# KiCad board DQBSC.kicad_pcb (continued)
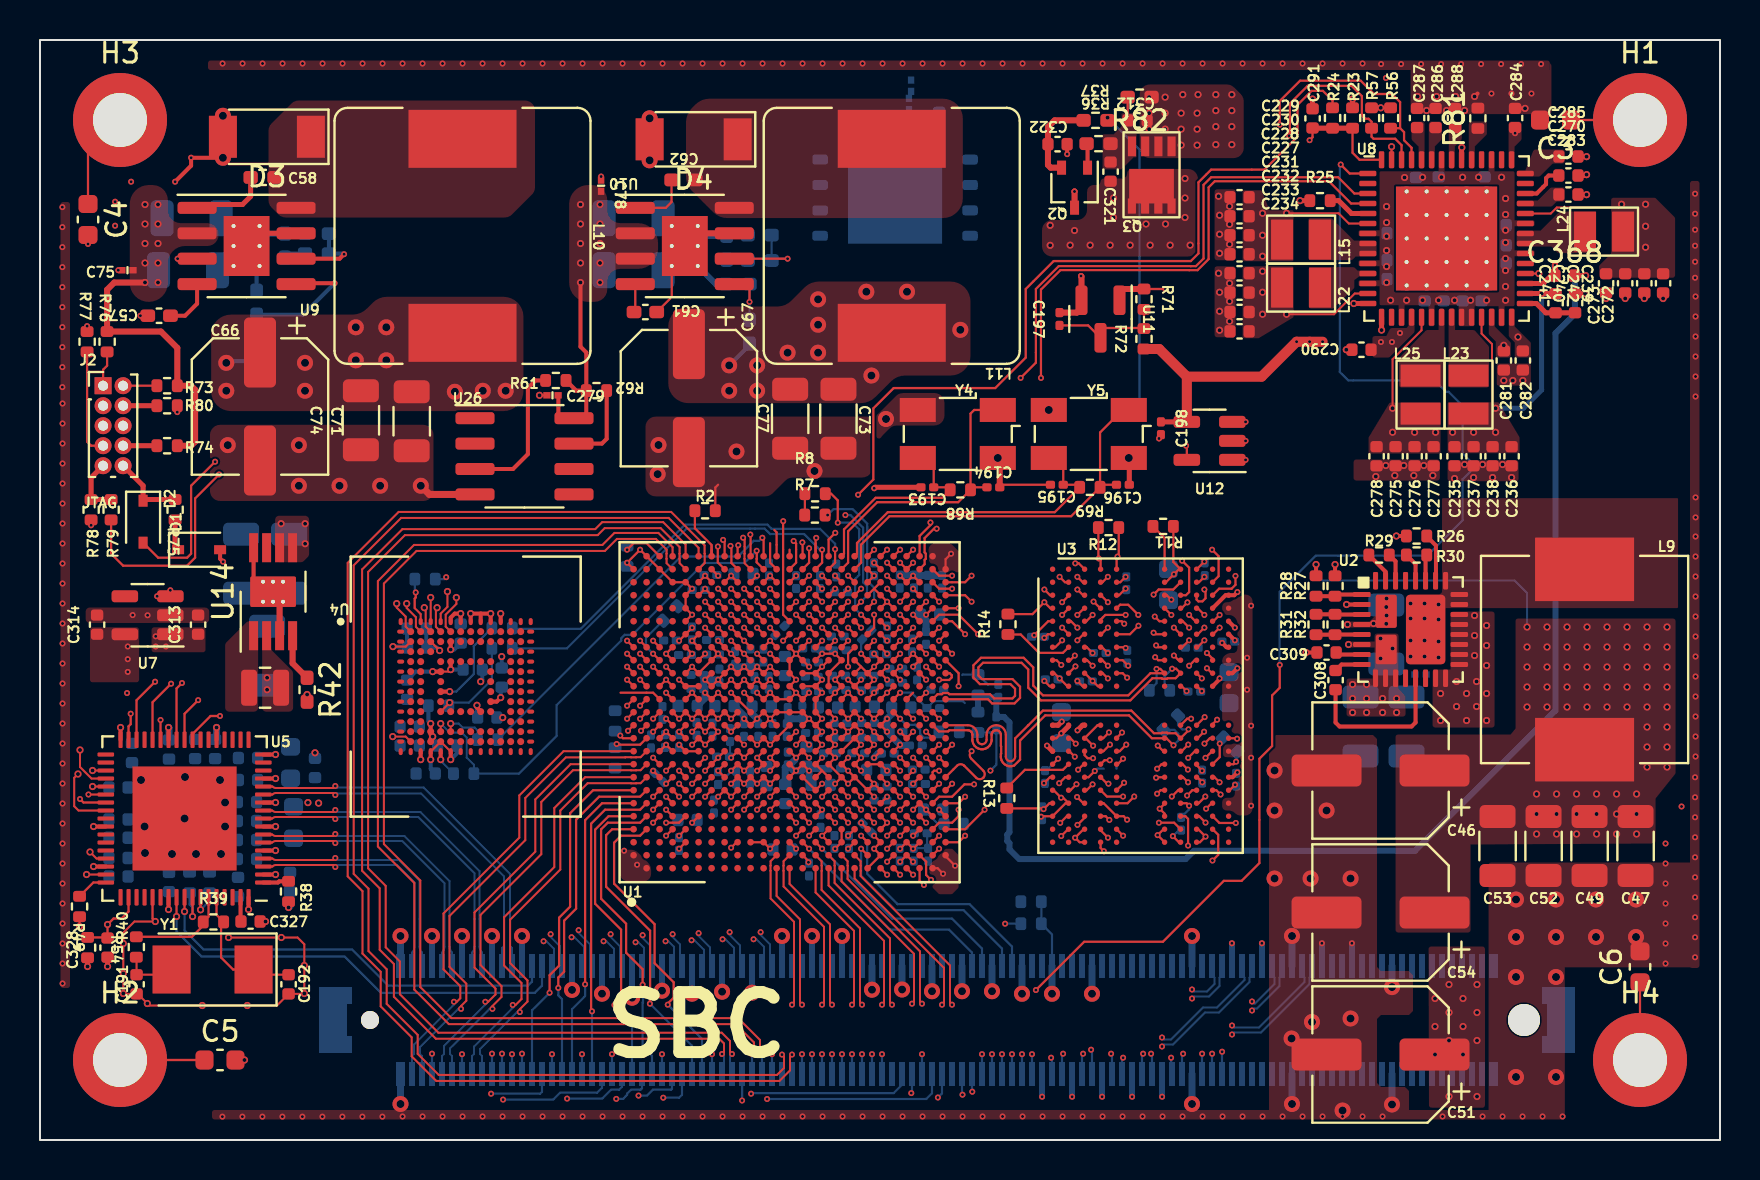
[diagram p0: board, top side]
## Routing (per net, layer and track width the routed paths; a pad name or vN(x,y) marks a point on that pad's centre or on a via; arc(x,y) is an arc through that point) (continued)
DRAM_CA2_A: length 16.6
  TOP w0.11: U1.AD20 44.95,26.26 45.93,26.26 v2(46.9,25.29) ; U3.H9 56.93,23.99 v2(56.69,24.22)
  PW2 w0.11: v2(56.69,24.22) 56.52,24.22 56.17,23.87 56.17,23.44 55.96,23.24 55.51,23.24 55.4,23.35 55.4,23.77 55.09,24.08 54.67,24.08 54.53,24.22 54.21,24.22 53.66,24.77 53.07,24.77 52.51,25.32 50.68,25.32 50.48,25.53 49.39,25.53 arc(49.32,25.5) 49.29,25.43 49.29,25.38 arc(49.26,25.31) 49.19,25.28 arc(49.12,25.31) 49.09,25.38 49.09,25.43 arc(49.06,25.5) 48.99,25.53 arc(48.92,25.5) 48.89,25.43 48.89,25.38 arc(48.86,25.31) 48.79,25.28 arc(48.72,25.31) 48.69,25.38 48.69,25.43 arc(48.66,25.5) 48.59,25.53 arc(48.52,25.5) 48.49,25.43 48.49,25.38 arc(48.46,25.31) 48.39,25.28 arc(48.32,25.31) 48.29,25.38 48.29,25.43 arc(48.26,25.5) 48.19,25.53 arc(48.12,25.5) 48.09,25.43 48.09,25.38 arc(48.06,25.31) 47.99,25.28 arc(47.92,25.31) 47.89,25.38 47.89,25.43 arc(47.86,25.5) 47.79,25.53 arc(47.72,25.5) 47.69,25.43 47.69,25.38 arc(47.66,25.31) 47.59,25.28 arc(47.52,25.31) 47.49,25.38 47.49,25.43 arc(47.46,25.5) 47.39,25.53 47.15,25.53 v2(46.9,25.29)
DRAM_CA2_B: length 16.6
  TOP w0.11: U3.R9 57.08,19.44 v2(57.41,19.77) ; U1.AC7 v2(44.3,17.16)
  PW2 w0.11: v2(44.3,17.16) 44.72,17.16 45.31,17.75 45.31,17.94 45.63,18.26 46.64,18.26 47.73,17.17 50.25,17.17 50.6,16.82 53.09,16.82 53.75,17.49 54.63,17.49 55.5,18.36 55.5,18.66 55.95,19.11 56.47,19.11 57.13,19.77 v2(57.41,19.77)
DRAM_CA3_A: length 16.7
  TOP w0.11: U1.AE20 45.6,25.94 v2(46.25,25.29) ; v2(57.46,23.71) 57.73,23.99 U3.H10
  PW2 w0.11: v2(46.25,25.29) 46.09,25.46 46.09,25.64 46.36,25.91 47.57,25.91 arc(47.61,25.93) 47.62,25.97 arc(47.64,26.01) 47.68,26.02 48.17,26.02 arc(48.21,26.01) 48.22,25.97 48.22,25.86 arc(48.24,25.82) 48.28,25.8 48.77,25.8 arc(48.81,25.82) 48.82,25.86 48.82,25.97 arc(48.84,26.01) 48.88,26.02 49.37,26.02 arc(49.41,26.01) 49.42,25.97 arc(49.44,25.93) 49.48,25.91 52.67,25.91 53.53,25.06 54.24,25.06 54.87,24.43 55.93,24.43 56.03,24.54 56.79,24.54 57.03,24.3 57.03,23.48 57.14,23.37 57.77,23.37 57.84,23.44 57.84,23.58 57.74,23.68 57.49,23.68 v2(57.46,23.71)
DRAM_CA3_B: length 16.7
  TOP w0.11: v2(57.41,19.11) 57.74,19.44 U3.R10 ; U1.AE7 v2(45.6,17.81)
  PW2 w0.11: v2(57.41,19.11) 57.56,19.11 57.65,19.01 57.65,18.91 57.55,18.81 57.12,18.81 56.99,18.68 56.99,17.99 54.72,15.72 54.23,15.72 54.14,15.81 53.69,15.81 53.59,15.71 53.34,15.71 53.04,16.01 52.03,16.01 51.89,16.15 50.46,16.15 50.12,15.81 48.35,15.81 46.89,17.28 46.55,17.28 46.34,17.5 46.14,17.5 46,17.36 45.7,17.36 45.6,17.46 v2(45.6,17.81)
DRAM_CA4_A: length 16.6
  TOP w0.11: v2(58.35,24.35) 58.63,24.06 U3.H11 ; U1.AD19 v2(44.95,25.61)
  PW2 w0.11: v2(58.35,24.35) 57.75,24.94 57.75,25.11 57.53,25.32 56.14,25.32 55.23,26.23 55.23,26.43 54.43,27.23 46.15,27.23 44.95,26.03 v2(44.95,25.61)
DRAM_CA4_B: length 16.6
  TOP w0.11: U1.AE6 45.93,16.84 v2(46.25,17.16) ; v2(58.27,19.11) 58.61,19.44 U3.R11
  PW2 w0.11: v2(46.25,17.16) 46.25,17.01 47.75,15.51 47.95,15.51 arc(47.99,15.5) 48.01,15.46 arc(48.03,15.42) 48.06,15.4 48.3,15.4 arc(48.34,15.42) 48.36,15.46 arc(48.38,15.5) 48.41,15.51 51.7,15.51 51.75,15.46 53.98,15.46 54.03,15.51 54.49,15.51 54.5,15.5 54.91,15.5 54.94,15.51 54.95,15.51 55.65,16.21 56.05,16.21 56.89,17.05 56.89,17.25 57.16,17.52 57.46,17.52 57.7,17.76 57.7,18.24 57.69,18.25 57.69,18.52 v2(58.27,19.11)
DRAM_CA5_A: length 16.7
  TOP w0.11: v2(58.35,23.59) 58.59,23.34 U3.J11 ; U1.AE19 v2(44.95,24.96)
  PW2 w0.11: v2(44.95,24.96) 46.54,26.55 49.38,26.55 arc(49.42,26.56) 49.44,26.6 arc(49.45,26.64) 49.49,26.66 49.98,26.66 arc(50.02,26.64) 50.04,26.6 50.04,26.44 arc(50.07,26.36) 50.15,26.33 50.57,26.33 arc(50.65,26.36) 50.68,26.44 arc(50.71,26.52) 50.79,26.55 51.28,26.55 arc(51.32,26.56) 51.33,26.6 arc(51.35,26.64) 51.39,26.66 51.88,26.66 arc(51.92,26.64) 51.93,26.6 arc(51.95,26.56) 51.99,26.55 53.06,26.55 54.28,25.33 54.7,25.33 55,25.02 56.91,25.02 v2(58.35,23.59)
DRAM_CA5_B: length 16.7
  TOP w0.11: v2(46.7,17.78) 46.22,17.78 45.6,17.16 44.95,17.16 U1.AD6 ; v2(58.22,19.82) 58.49,20.09 U3.P11
  PW2 w0.11: v2(58.22,19.82) 57.88,19.47 57.31,19.47 56.55,18.71 56.55,18.45 54.72,16.61 50.53,16.61 50.28,16.86 50,16.86 49.75,16.61 47.87,16.61 v2(46.7,17.78)
DRAM_CKA_N: length 21.2
  TOP w0.11: v2(56.61,23.56) 56.81,23.56 U3.J9 56.78,23.09 56.38,23.09 56.35,23.06 56.11,23.06 56.08,23.09 55.62,23.09 54.52,21.98 50.04,21.98 49.41,22.61 49.41,23.53 49.08,23.86 47.15,23.86 46.92,23.63 46.92,23.23 47.1,23.04 48.62,23.04 49,22.67 49,22.11 48.73,21.83 47.61,21.83 47.4,22.04 U1.AE14
  BOT w0.11: v2(56.61,23.56) 56.23,23.19 56.23,22.67 56.43,22.48 R63.2
DRAM_CKA_P: length 20.9
  TOP w0.11: v2(55.83,23.55) 56.01,23.55 U3.J8 55.52,23.34 54.41,22.23 50.15,22.23 49.66,22.72 49.66,23.63 49.18,24.11 47.05,24.11 46.67,23.73 46.67,23.12 47,22.79 48.52,22.79 48.75,22.56 48.75,22.21 48.62,22.08 47.71,22.08 47.5,22.29 45.47,22.29 45.41,22.35 45.15,22.35 45.09,22.29 44.88,22.29 U1.AD14
  BOT w0.11: R63.1 55.83,22.84 v2(55.83,23.55)
DRAM_CKB_N: length 18.5
  TOP w0.11: v2(57.43,20.53) 57.43,20.49 U3.P9 56.78,20.34 56.38,20.34 56.35,20.37 56.11,20.37 56.08,20.34 55.7,20.34 54.57,21.47 50.15,21.47 48.75,20.08 48.75,19.17 arc(48.69,19.01) 48.52,18.94 arc(48.36,19.01) 48.29,19.17 48.29,20.26 arc(48.15,20.6) 47.81,20.74 arc(47.47,20.6) 47.33,20.26 47.33,20.02 arc(47.26,19.86) 47.1,19.79 arc(46.94,19.86) 46.87,20.02 46.87,20.26 arc(46.73,20.6) 46.39,20.74 U1.AE12
  BOT w0.11: R64.2 56.9,20.74 57.11,20.53 v2(57.43,20.53)
DRAM_CKB_P: length 18.7
  TOP w0.11: U1.AD12 44.94,20.43 45.41,20.43 45.47,20.49 46.39,20.49 46.43,20.49 46.52,20.45 46.58,20.39 46.62,20.3 46.62,20.26 46.62,20.02 46.62,19.96 46.65,19.83 46.72,19.73 46.81,19.64 46.91,19.57 47.04,19.54 47.1,19.54 47.16,19.54 47.28,19.57 47.39,19.64 47.48,19.73 47.55,19.83 47.58,19.96 47.58,20.02 47.58,20.26 47.58,20.3 47.62,20.39 47.68,20.45 47.77,20.49 47.81,20.49 47.86,20.49 47.94,20.45 48.01,20.39 48.04,20.3 48.04,20.26 48.04,19.7 48.06,19.68 48.06,19.31 48.04,19.3 48.04,19.17 48.04,19.11 48.08,18.98 48.14,18.88 48.23,18.79 48.34,18.72 48.46,18.69 48.52,18.69 48.59,18.69 48.71,18.72 49,19.02 49,19.97 50.26,21.23 54.45,21.23 55.59,20.09 U3.P8 56.32,20.09 v2(56.67,19.73)
  BOT w0.11: v2(56.67,19.73) 56.92,19.98 56.92,20.31 56.72,20.51 R64.1
DRAM_CKE0_A: length 16.6
  TOP w0.11: v2(53.39,23.08) 53.13,23.34 U3.J4 ; U1.AC16 v2(44.3,23.01)
  PW2 w0.11: v2(53.39,23.08) 53.73,23.41 54.67,23.41 54.76,23.32 54.76,22.35 54.43,22.02 54.43,22.02 54.23,21.82 53.83,21.82 arc(53.79,21.8) 53.77,21.77 arc(53.76,21.73) 53.72,21.71 53.63,21.71 arc(53.59,21.73) 53.57,21.77 arc(53.56,21.8) 53.52,21.82 53.43,21.82 arc(53.39,21.8) 53.37,21.77 arc(53.36,21.73) 53.32,21.71 53.23,21.71 arc(53.19,21.73) 53.17,21.77 arc(53.16,21.8) 53.12,21.82 53.03,21.82 arc(52.99,21.8) 52.97,21.77 arc(52.96,21.73) 52.92,21.71 52.83,21.71 arc(52.79,21.73) 52.77,21.77 arc(52.76,21.8) 52.72,21.82 52.63,21.82 arc(52.59,21.8) 52.57,21.77 arc(52.56,21.73) 52.52,21.71 52.43,21.71 arc(52.39,21.73) 52.37,21.77 arc(52.36,21.8) 52.32,21.82 52.23,21.82 arc(52.19,21.8) 52.17,21.77 arc(52.16,21.73) 52.12,21.71 52.03,21.71 arc(51.99,21.73) 51.97,21.77 arc(51.96,21.8) 51.92,21.82 45.77,21.82 arc(45.61,21.89) 45.54,22.05 arc(45.47,22.21) 45.31,22.28 45.17,22.28 arc(45.01,22.21) 44.94,22.05 arc(44.87,21.89) 44.71,21.82 44.43,21.82 44.01,22.24 44.01,22.49 44.3,22.78 v2(44.3,23.01)
DRAM_CKE0_B: length 16.6
  TOP w0.11: U1.AD10 v2(44.95,19.76) ; U3.P4 53.16,20.09 v2(53.45,20.38)
  PW2 w0.11: v2(53.45,20.38) 53.45,20.41 53.71,20.67 54.5,20.67 54.85,20.31 55.15,20.31 55.25,20.41 55.25,20.61 54.85,21.01 53.05,21.01 52.85,20.81 51.4,20.81 51.21,20.63 50.64,20.63 50.35,20.91 46.95,20.91 arc(46.83,20.86) 46.78,20.74 46.78,20.54 arc(46.73,20.42) 46.6,20.36 arc(46.48,20.42) 46.43,20.54 46.43,20.74 arc(46.38,20.86) 46.25,20.91 45.95,20.91 45.65,20.61 45.65,20.41 45.9,20.17 45.9,19.64 45.67,19.41 45.3,19.41 v2(44.95,19.76)
DRAM_CKE1_A: length 16.6
  TOP w0.11: v2(54.36,23.12) 54.13,23.34 U3.J5 ; U1.AE17 45.93,23.34 v2(45.93,22.69)
  PW2 w0.11: v2(54.36,23.12) 54.34,23.1 54.34,22.38 54.08,22.12 53.99,22.12 arc(53.85,22.18) 53.79,22.32 53.79,22.35 arc(53.73,22.49) 53.59,22.55 arc(53.45,22.49) 53.39,22.35 53.39,22.32 arc(53.33,22.18) 53.19,22.12 53.13,22.12 arc(53.06,22.15) 53.03,22.22 arc(53,22.29) 52.93,22.32 arc(52.86,22.29) 52.83,22.22 arc(52.8,22.15) 52.73,22.12 arc(52.66,22.15) 52.63,22.22 arc(52.6,22.29) 52.53,22.32 arc(52.46,22.29) 52.43,22.22 arc(52.4,22.15) 52.33,22.12 arc(52.26,22.15) 52.23,22.22 arc(52.2,22.29) 52.13,22.32 arc(52.06,22.29) 52.03,22.22 arc(52,22.15) 51.93,22.12 arc(51.86,22.15) 51.83,22.22 arc(51.8,22.29) 51.73,22.32 arc(51.66,22.29) 51.63,22.22 arc(51.6,22.15) 51.53,22.12 arc(51.46,22.15) 51.43,22.22 arc(51.4,22.29) 51.33,22.32 arc(51.26,22.29) 51.23,22.22 arc(51.2,22.15) 51.13,22.12 arc(51.06,22.15) 51.03,22.22 arc(51,22.29) 50.93,22.32 arc(50.86,22.29) 50.83,22.22 arc(50.8,22.15) 50.73,22.12 arc(50.66,22.15) 50.63,22.22 arc(50.6,22.29) 50.53,22.32 arc(50.46,22.29) 50.43,22.22 arc(50.4,22.15) 50.33,22.12 arc(50.26,22.15) 50.23,22.22 arc(50.2,22.29) 50.13,22.32 arc(50.06,22.29) 50.03,22.22 arc(50,22.15) 49.93,22.12 49.73,22.12 arc(49.65,22.15) 49.63,22.22 49.63,22.25 arc(49.6,22.32) 49.53,22.35 arc(49.45,22.32) 49.43,22.25 49.43,22.22 arc(49.4,22.15) 49.33,22.12 arc(49.25,22.15) 49.23,22.22 49.23,22.25 arc(49.2,22.32) 49.13,22.35 arc(49.05,22.32) 49.03,22.25 49.03,22.22 arc(49,22.15) 48.93,22.12 arc(48.85,22.15) 48.83,22.22 48.83,22.25 arc(48.8,22.32) 48.73,22.35 arc(48.65,22.32) 48.63,22.25 48.63,22.22 arc(48.6,22.15) 48.53,22.12 arc(48.45,22.15) 48.43,22.22 48.43,22.25 arc(48.4,22.32) 48.33,22.35 arc(48.25,22.32) 48.23,22.25 48.23,22.22 arc(48.2,22.15) 48.13,22.12 arc(48.05,22.15) 48.03,22.22 48.03,22.25 arc(48,22.32) 47.93,22.35 arc(47.85,22.32) 47.83,22.25 47.83,22.22 arc(47.8,22.15) 47.73,22.12 arc(47.65,22.15) 47.63,22.22 47.63,22.25 arc(47.6,22.32) 47.53,22.35 arc(47.45,22.32) 47.43,22.25 47.43,22.22 arc(47.4,22.15) 47.33,22.12 arc(47.25,22.15) 47.23,22.22 47.23,22.25 arc(47.2,22.32) 47.13,22.35 arc(47.05,22.32) 47.03,22.25 47.03,22.22 arc(47,22.15) 46.93,22.12 arc(46.85,22.15) 46.83,22.22 46.83,22.25 arc(46.8,22.32) 46.73,22.35 arc(46.65,22.32) 46.63,22.25 46.63,22.22 arc(46.6,22.15) 46.53,22.12 46.01,22.12 45.93,22.2 v2(45.93,22.69)
DRAM_CKE1_B: length 16.6
  TOP w0.11: U3.P5 53.83,20.1 v2(54.1,20.37) ; U1.AE10 v2(45.6,19.76)
  PW2 w0.11: v2(45.6,19.76) 45.6,20 45.45,20.16 44.97,20.16 44.89,20.24 44.89,20.5 45.02,20.63 45.22,20.63 45.36,20.77 45.36,21.01 45.53,21.18 45.62,21.18 45.75,21.31 54.45,21.31 arc(54.58,21.37) 54.63,21.49 54.63,21.5 arc(54.68,21.62) 54.8,21.67 arc(54.93,21.62) 54.98,21.5 54.98,21.49 arc(55.03,21.37) 55.15,21.31 55.55,20.91 55.55,20.01 55.35,19.81 54.85,19.81 54.55,20.11 54.25,20.11 54.1,20.27 v2(54.1,20.37)
DRAM_DM0: length 24.8
  TOP w0.11: U1.AD23 44.95,27.56 v2(45.6,27.56) ; v2(51.87,27.52) 52.15,27.24 U3.C3
  S2 w0.11: v2(45.6,27.56) 45.56,27.52 44.38,27.52 44.23,27.67 44.23,28.17 arc(44.28,28.29) 44.4,28.35 44.49,28.35 arc(44.62,28.4) 44.67,28.52 arc(44.62,28.64) 44.49,28.7 44.4,28.7 arc(44.28,28.75) 44.23,28.87 44.23,29.27 44.44,29.48 arc(44.56,29.53) 44.69,29.48 44.75,29.42 arc(44.87,29.37) 45,29.42 arc(45.05,29.54) 45,29.67 44.93,29.73 arc(44.88,29.85) 44.93,29.98 arc(45.06,30.03) 45.18,29.98 45.24,29.91 arc(45.37,29.86) 45.49,29.91 arc(45.54,30.04) 45.49,30.16 45.43,30.22 45.43,30.22 arc(45.38,30.35) 45.43,30.47 45.73,30.47 45.88,30.32 45.88,30.07 46.08,29.87 46.28,29.87 arc(46.4,29.82) 46.45,29.7 46.45,29.61 arc(46.5,29.48) 46.63,29.43 arc(46.75,29.48) 46.8,29.61 46.8,29.7 arc(46.85,29.82) 46.98,29.87 arc(47.1,29.82) 47.15,29.7 47.15,29.61 arc(47.2,29.48) 47.33,29.43 arc(47.45,29.48) 47.5,29.61 47.5,29.7 arc(47.55,29.82) 47.68,29.87 arc(47.8,29.82) 47.85,29.7 47.85,29.61 arc(47.9,29.48) 48.03,29.43 arc(48.15,29.48) 48.2,29.61 48.2,29.7 arc(48.25,29.82) 48.38,29.87 arc(48.5,29.82) 48.55,29.7 48.55,29.61 arc(48.6,29.48) 48.73,29.43 arc(48.85,29.48) 48.9,29.61 48.9,29.7 arc(48.95,29.82) 49.08,29.87 arc(49.2,29.82) 49.25,29.7 49.25,29.61 arc(49.3,29.48) 49.43,29.43 arc(49.55,29.48) 49.6,29.61 49.6,29.7 arc(49.65,29.82) 49.78,29.87 arc(49.9,29.82) 49.95,29.7 49.95,29.61 arc(50,29.48) 50.13,29.43 arc(50.25,29.48) 50.3,29.61 50.3,29.7 arc(50.35,29.82) 50.48,29.87 arc(50.6,29.82) 50.65,29.7 50.65,29.61 arc(50.7,29.48) 50.83,29.43 arc(50.95,29.48) 51,29.61 51,29.7 arc(51.05,29.82) 51.18,29.87 51.93,29.87 52.43,30.37 52.43,30.92 52.58,31.07 52.73,31.07 52.98,30.82 52.98,29.62 52.53,29.17 52.53,28.67 52.28,28.42 52.28,27.92 51.88,27.52 v2(51.87,27.52)
DRAM_DM1: length 26
  TOP w0.11: U3.C10 57.83,27.02 57.92,26.93 58.12,26.93 58.27,27.09 58.27,27.47 v2(58.22,27.52) ; U1.AB20 v2(43,26.26)
  S1 w0.11: v2(43,26.26) 43.3,26.56 43.3,27.63 43.59,27.91 43.77,27.91 44.21,28.35 44.22,28.36 44.25,28.37 44.28,28.36 44.3,28.34 44.32,28.33 44.35,28.34 44.44,28.42 44.45,28.43 44.45,28.46 44.45,28.49 44.44,28.5 44.35,28.59 44.34,28.62 44.35,28.65 44.44,28.74 44.47,28.75 44.5,28.74 44.59,28.65 44.6,28.64 44.62,28.63 44.65,28.64 44.66,28.65 44.75,28.73 44.75,28.76 44.75,28.79 44.66,28.88 44.65,28.89 44.64,28.92 44.65,28.95 44.66,28.96 44.74,29.04 44.77,29.05 44.8,29.04 44.89,28.95 44.9,28.94 44.92,28.93 44.95,28.94 44.96,28.95 45.05,29.03 45.05,29.06 45.05,29.09 44.96,29.18 44.95,29.19 44.94,29.22 44.95,29.25 44.96,29.26 45.04,29.34 45.07,29.35 45.1,29.34 45.12,29.32 45.14,29.31 45.23,29.41 45.26,29.41 45.26,29.64 45.43,29.81 45.68,29.81 45.76,29.73 45.76,29.76 46.24,30.23 46.54,30.23 46.84,29.93 46.84,29.92 47.97,29.92 48.27,29.63 48.58,29.63 48.88,29.92 49.44,29.92 49.68,29.68 49.99,29.68 50.24,29.92 52.38,29.92 52.43,29.92 52.53,29.88 52.6,29.81 52.64,29.72 52.64,29.67 52.64,29.63 52.64,29.58 52.68,29.48 52.75,29.41 52.84,29.37 52.89,29.37 52.94,29.37 53.04,29.41 53.11,29.48 53.15,29.58 53.15,29.63 53.15,29.67 53.15,29.72 53.19,29.81 53.26,29.88 53.36,29.92 53.41,29.92 53.6,29.92 53.8,29.73 54.11,29.73 54.31,29.92 55.23,29.92 55.42,29.73 55.58,29.73 55.78,29.92 57.63,29.92 58.51,29.04 58.51,29.03 58.73,28.81 58.73,28.36 58.53,28.15 58.53,27.69 58.73,27.49 58.73,27.09 58.53,26.88 58.38,26.88 58.22,27.04 v2(58.22,27.52)
DRAM_DM2: length 24.8
  TOP w0.11: U1.AD3 v2(44.95,15.21) ; U3.Y3 52.23,16.11 v2(51.87,15.76)
  S2 w0.11: v2(51.87,15.76) 51.87,15.95 51.61,16.21 51.61,16.51 51.82,16.72 52.02,16.72 52.17,16.56 52.17,16.26 52.43,16 52.43,15.29 52.17,15.04 52.17,14.13 51.87,13.82 51.87,12.65 51.66,12.45 51.21,12.45 50.9,12.14 50.55,12.14 50.39,12.3 50.39,13.16 49.94,13.62 49.89,13.62 49.8,13.65 49.72,13.7 49.67,13.78 49.64,13.87 49.64,13.92 49.64,13.94 49.64,13.98 49.67,14.06 49.73,14.13 49.82,14.16 49.86,14.16 50.24,14.16 50.29,14.16 50.37,14.2 50.43,14.26 50.47,14.34 50.47,14.39 50.47,14.43 50.43,14.51 50.37,14.58 50.29,14.61 50.24,14.61 49.86,14.61 49.82,14.61 49.73,14.65 49.67,14.71 49.64,14.79 49.64,14.84 49.64,15.12 49.63,15.16 49.61,15.25 49.55,15.33 49.47,15.39 49.38,15.42 49.34,15.42 49.29,15.42 49.2,15.39 49.12,15.33 49.07,15.25 49.05,15.2 49.05,14.99 49.04,14.98 49.04,13.92 49.03,13.87 49.01,13.78 48.95,13.7 48.87,13.65 48.78,13.62 48.74,13.62 48.67,13.62 48.36,13.31 48.36,12.5 48.16,12.3 47.7,12.3 47.4,12.6 46.99,12.6 46.84,12.75 46.84,13.72 46.28,14.28 45.52,14.28 45.06,13.82 44.5,13.82 44.14,14.18 44.14,15.04 44.32,15.21 v2(44.95,15.21)
DRAM_DM3: length 25
  TOP w0.11: v2(58.28,15.87) 57.96,16.19 U3.Y10 ; U1.AB6 v2(43,16.51)
  S1 w0.11: v2(58.28,15.87) 58.28,16.12 58.42,16.26 58.55,16.26 58.67,16.13 58.67,14.73 57.76,13.82 57.05,13.82 56.77,14.1 53.05,14.1 53.01,14.1 52.92,14.13 52.84,14.19 52.79,14.26 52.76,14.35 52.75,14.4 52.75,15.35 52.75,15.4 52.72,15.49 52.67,15.56 52.59,15.62 52.5,15.65 52.45,15.65 52.41,15.65 52.32,15.62 52.24,15.56 52.24,14.49 51.65,13.9 51.63,13.9 51.52,14 51.52,14.74 51.47,14.81 51.41,14.81 50.95,14.35 50.92,14.26 50.87,14.19 50.29,14.19 50.18,14.3 50.18,14.34 50.14,14.42 49.73,14.42 49.58,14.26 49.54,14.26 49.37,14.1 49.02,14.1 48.89,14.23 44.75,14.23 44.06,14.92 43.53,14.92 43.33,15.12 43.33,16.19 v2(43,16.51)
DRAM_DQ0: length 23.8
  TOP w0.11: v2(50.98,28.16) 51.25,27.89 U3.B2 ; v2(46.58,28.21) 46.25,27.89 U1.AE23
  S2 w0.11: v2(50.98,28.16) 50.98,28.17 50.78,28.37 50.48,28.37 50.38,28.27 50.38,27.97 50.93,27.42 51.43,27.42 51.53,27.52 51.53,28.37 51.68,28.52 51.87,28.52 52.18,28.83 52.18,29.37 52.03,29.52 51.48,29.52 50.98,29.02 49.58,29.02 49.54,29.02 49.48,28.99 49.43,28.94 49.4,28.88 49.4,28.85 49.4,27.95 49.4,27.91 49.37,27.85 49.33,27.8 49.26,27.77 49.23,27.77 49.19,27.77 49.13,27.8 49.08,27.85 49.05,27.91 49.05,27.95 49.05,28.85 49.05,28.88 49.02,28.94 48.98,28.99 48.91,29.02 48.88,29.02 48.84,29.02 48.78,28.99 48.73,28.94 48.7,28.88 48.7,28.85 48.7,27.95 48.7,27.91 48.67,27.85 48.63,27.8 48.56,27.77 48.53,27.77 48.49,27.77 48.43,27.8 48.38,27.85 48.35,27.91 48.35,27.95 48.35,28.85 48.35,28.88 48.32,28.94 48.28,28.99 48.21,29.02 48.18,29.02 48.14,29.02 48.08,28.99 48.03,28.94 48,28.88 48,28.85 48,27.95 48,27.91 47.97,27.85 47.93,27.8 47.86,27.77 47.83,27.77 47.73,27.87 47.73,28.77 47.48,29.02 47.44,29.02 47.38,28.99 47.38,28.02 47.13,27.77 47.09,27.77 47.03,27.8 47.03,28.77 46.78,29.02 46.48,29.02 46.18,29.32 45.98,29.32 45.68,29.02 45.68,28.97 45.93,28.71 45.93,28.67 46.08,28.52 46.08,28.42 46.28,28.21 v2(46.58,28.21)
DRAM_DQ1: length 24.8
  TOP w0.11: v2(45.6,28.21) 44.95,28.21 U1.AD24 ; v2(51.11,26.89) 51.43,27.21 U3.C2
  S2 w0.11: v2(45.6,28.21) 46.36,27.46 46.88,27.46 47.13,27.21 47.28,27.21 arc(47.42,27.15) 47.48,27.01 47.48,26.47 arc(47.42,26.33) 47.28,26.27 45.63,26.27 arc(45.49,26.21) 45.43,26.07 arc(45.49,25.93) 45.63,25.87 47.28,25.87 arc(47.42,25.81) 47.48,25.67 47.48,25.51 arc(47.54,25.37) 47.68,25.31 arc(47.82,25.37) 47.88,25.51 47.88,27.01 arc(47.94,27.15) 48.08,27.21 arc(48.22,27.15) 48.28,27.01 48.28,25.51 arc(48.34,25.37) 48.48,25.31 arc(48.62,25.37) 48.68,25.51 48.68,27.01 arc(48.74,27.15) 48.88,27.21 arc(49.02,27.15) 49.08,27.01 49.08,25.51 arc(49.14,25.37) 49.28,25.31 arc(49.42,25.37) 49.48,25.51 49.48,25.87 arc(49.54,26.01) 49.68,26.07 49.78,26.07 arc(49.88,26.03) 49.93,25.92 49.93,25.63 arc(49.97,25.52) 50.08,25.48 arc(50.18,25.52) 50.23,25.63 50.23,25.92 arc(50.27,26.03) 50.38,26.07 50.48,26.07 arc(50.62,26.13) 50.68,26.27 arc(50.62,26.41) 50.48,26.47 49.68,26.47 arc(49.54,26.53) 49.48,26.67 49.48,27.01 arc(49.54,27.15) 49.68,27.21 50.79,27.21 v2(51.11,26.89)
DRAM_DQ2: length 24.8
  TOP w0.11: U3.E2 51.55,25.94 v2(51.87,25.62) ; U1.AE22 46.25,27.24 v2(46.58,26.91)
  S2 w0.11: v2(51.87,25.62) 51.57,25.91 50.97,25.91 50.68,25.62 50.68,25.04 50.33,24.69 49.88,24.69 arc(49.74,24.63) 49.68,24.49 49.68,24.28 arc(49.72,24.19) 49.81,24.15 arc(49.9,24.11) 49.94,24.02 49.94,23.88 arc(49.9,23.79) 49.81,23.75 arc(49.72,23.71) 49.68,23.62 49.68,23.24 arc(49.62,23.1) 49.48,23.04 arc(49.34,23.1) 49.28,23.24 49.28,24.49 arc(49.22,24.63) 49.08,24.69 arc(48.94,24.63) 48.88,24.49 48.88,23.24 arc(48.82,23.1) 48.68,23.04 arc(48.54,23.1) 48.48,23.24 48.48,24.49 arc(48.42,24.63) 48.28,24.69 arc(48.14,24.63) 48.08,24.49 48.08,23.24 arc(48.02,23.1) 47.88,23.04 arc(47.74,23.1) 47.68,23.24 47.68,24.49 arc(47.62,24.63) 47.48,24.69 arc(47.34,24.63) 47.28,24.49 47.28,23.24 arc(47.22,23.1) 47.08,23.04 arc(46.94,23.1) 46.88,23.24 46.88,24.49 arc(46.82,24.63) 46.68,24.69 46.06,24.69 45.33,25.42 45.33,25.67 45.08,25.92 45.08,26.42 45.57,26.91 v2(46.58,26.91)
DRAM_DQ3: length 25
  TOP w0.11: U1.AD22 v2(44.95,26.91) ; U3.F2 51.43,25.3 v2(51.11,25.62)
  S2 w0.11: v2(51.11,25.62) 51.18,25.62 51.43,25.37 51.43,23.94 51.36,23.88 51.19,24.05 50.94,24.05 50.8,23.91 50.78,23.93 50.75,23.96 50.68,23.99 50.6,23.99 50.53,23.96 50.5,23.93 50.47,23.91 50.44,23.83 50.44,23.75 50.47,23.68 50.5,23.65 50.68,23.47 50.7,23.45 50.73,23.37 50.73,23.29 50.7,23.22 50.68,23.19 50.51,23.03 50.51,22.83 50.33,22.65 50.3,22.65 50.23,22.62 50.19,22.57 50.16,22.51 50.16,22.47 50.16,22.44 50.19,22.37 50.23,22.32 50.3,22.3 50.33,22.3 51.43,22.3 51.47,22.29 51.53,22.27 51.58,22.22 51.61,22.16 51.61,22.12 51.61,22.09 51.58,22.02 51.53,21.97 51.47,21.95 51.43,21.95 51.08,21.95 51.04,21.94 50.97,21.91 50.91,21.86 50.88,21.79 50.88,21.75 50.88,21.5 50.88,21.46 50.85,21.38 50.79,21.33 50.72,21.3 50.68,21.3 50.64,21.3 50.57,21.33 50.51,21.38 50.48,21.46 50.48,21.5 50.48,21.75 50.48,21.79 50.45,21.86 50.39,21.91 50.32,21.94 50.28,21.95 49.78,21.95 49.74,21.94 49.67,21.91 49.61,21.86 49.58,21.79 49.58,21.75 49.58,21.5 49.58,21.46 49.55,21.38 49.49,21.33 49.42,21.3 49.38,21.3 49.34,21.3 49.27,21.33 49.21,21.38 49.18,21.46 49.18,21.5 49.18,22.4 49.18,22.44 49.15,22.51 49.09,22.56 49.02,22.59 48.98,22.6 48.94,22.59 48.87,22.56 48.81,22.51 48.78,22.44 48.78,22.4 48.78,21.5 48.78,21.46 48.75,21.38 48.69,21.33 48.62,21.3 48.58,21.3 48.54,21.3 48.47,21.33 48.41,21.38 48.38,21.46 48.38,21.5 48.38,22.4 48.38,22.44 48.35,22.51 48.29,22.56 48.22,22.59 48.18,22.6 48.14,22.59 48.07,22.56 48.01,22.51 47.98,22.44 47.98,22.4 47.98,22.15 47.98,22.11 47.95,22.03 47.89,21.98 47.82,21.95 47.78,21.95 47.33,21.95 47.01,22.27 47.01,22.48 47.01,22.51 46.98,22.57 46.93,22.62 46.87,22.65 46.83,22.65 46.55,22.65 46.2,23 46.2,23.38 46.4,23.58 46.43,23.6 46.46,23.68 46.46,23.76 46.43,23.83 46.4,23.86 46.37,23.89 46.3,23.92 46.22,23.92 46.15,23.89 46.12,23.86 45.87,23.61 45.84,23.58 45.77,23.55 45.69,23.55 45.62,23.58 45.59,23.61 45.31,23.89 45.31,25.03 45.02,25.32 44.83,25.32 44.63,25.52 44.63,26.59 v2(44.95,26.91) ; 46.78,22.66 46.54,22.66
DRAM_DQ4: length 24.5
  TOP w0.11: U3.F4 53.06,25.29 v2(53.39,25.62) ; U1.AA24 v2(42.35,28.86)
  S2 w0.11: v2(53.39,25.62) 53.39,25.85 55.08,27.54 55.08,31.82 53.81,33.09 51.9,33.09 51.74,32.94 43.64,32.94 42.65,31.94 42.65,29.16 v2(42.35,28.86)
DRAM_DQ5: length 24.9
  TOP w0.11: U1.Y25 v2(42.35,29.51) ; U3.E4 53.03,26.02 53.27,26.25 v2(54.28,26.25)
  S2 w0.11: v2(42.35,29.51) 42.35,32.25 43.52,33.42 53.98,33.42 55.38,32.02 55.38,27.42 54.28,26.32 v2(54.28,26.25)
DRAM_DQ6: length 24.6
  TOP w0.11: U1.AA25 v2(43,29.51) ; U3.C4 53.04,27.24 v2(53.39,26.89)
  S2 w0.11: v2(43,29.51) 43,31.9 43.78,32.68 52.11,32.68 52.12,32.67 52.15,32.67 52.19,32.64 52.22,32.59 52.22,32.54 52.25,32.49 52.3,32.46 52.33,32.46 52.52,32.46 52.55,32.46 52.59,32.49 52.62,32.54 52.62,32.57 52.62,32.59 52.65,32.64 52.7,32.67 52.73,32.67 53.68,32.67 54.78,31.57 54.78,27.65 53.2,26.07 53.08,26.07 52.98,26.17 52.98,27.37 53.03,27.42 53.23,27.42 53.39,27.26 v2(53.39,26.89)
DRAM_DQ7: length 24.8
  TOP w0.11: U1.AB25 v2(43.65,29.51) ; v2(53.39,28.16) 53.12,27.89 U3.B4
  S2 w0.11: v2(53.39,28.16) 53.39,27.76 53.58,27.57 53.78,27.57 53.93,27.72 53.93,28.27 54.43,28.77 54.43,29.07 arc(54.38,29.18) 54.27,29.22 arc(54.16,29.27) 54.12,29.38 54.12,29.47 arc(54.16,29.58) 54.27,29.62 arc(54.38,29.67) 54.43,29.78 54.43,29.87 arc(54.38,29.98) 54.27,30.02 arc(54.16,30.07) 54.12,30.18 54.12,30.27 arc(54.16,30.38) 54.27,30.42 arc(54.38,30.47) 54.43,30.58 54.43,31.37 53.48,32.32 52.88,32.32 52.73,32.17 51.13,32.17 50.88,32.42 50.43,32.42 arc(50.29,32.36) 50.23,32.22 arc(50.17,32.08) 50.03,32.02 arc(49.89,32.08) 49.83,32.22 arc(49.77,32.36) 49.63,32.42 arc(49.49,32.36) 49.43,32.22 arc(49.37,32.08) 49.23,32.02 arc(49.09,32.08) 49.03,32.22 arc(48.97,32.36) 48.83,32.42 arc(48.69,32.36) 48.63,32.22 arc(48.57,32.08) 48.43,32.02 arc(48.29,32.08) 48.23,32.22 arc(48.17,32.36) 48.03,32.42 arc(47.89,32.36) 47.83,32.22 arc(47.77,32.08) 47.63,32.02 arc(47.49,32.08) 47.43,32.22 arc(47.37,32.36) 47.23,32.42 arc(47.09,32.36) 47.03,32.22 arc(46.97,32.08) 46.83,32.02 arc(46.69,32.08) 46.63,32.22 arc(46.57,32.36) 46.43,32.42 arc(46.29,32.36) 46.23,32.22 arc(46.17,32.08) 46.03,32.02 arc(45.89,32.08) 45.83,32.22 arc(45.77,32.36) 45.63,32.42 arc(45.49,32.36) 45.43,32.22 arc(45.37,32.08) 45.23,32.02 arc(45.09,32.08) 45.03,32.22 arc(44.97,32.36) 44.83,32.42 44.18,32.42 arc(44.12,32.28) 44.18,32.14 arc(44.24,32) 44.18,31.86 arc(44.04,31.8) 43.89,31.86 arc(43.75,31.91) 43.61,31.86 43.48,31.72 43.48,31.27 arc(43.54,31.13) 43.68,31.07 arc(43.82,31.01) 43.88,30.87 arc(43.82,30.73) 43.68,30.67 arc(43.54,30.61) 43.48,30.47 43.48,29.69 v2(43.65,29.51)
DRAM_DQ8: length 25.7
  TOP w0.11: U1.AB22 v2(43,26.91) ; v2(58.6,29.51) 58.93,29.19 58.93,28.19 U3.B11
  S1 w0.11: v2(43,26.91) 43.01,26.92 43.01,27.77 43.3,28.06 43.3,28.28 43.54,28.52 43.72,28.52 45.82,30.62 46.69,30.62 arc(46.82,30.56) 46.87,30.44 arc(46.92,30.32) 47.04,30.27 47.09,30.27 arc(47.22,30.32) 47.27,30.44 arc(47.32,30.56) 47.44,30.62 47.49,30.62 arc(47.62,30.56) 47.67,30.44 arc(47.72,30.32) 47.84,30.27 47.89,30.27 arc(48.02,30.32) 48.07,30.44 arc(48.12,30.56) 48.24,30.62 48.29,30.62 arc(48.42,30.56) 48.47,30.44 arc(48.52,30.32) 48.64,30.27 48.69,30.27 arc(48.82,30.32) 48.87,30.44 arc(48.92,30.56) 49.04,30.62 49.09,30.62 arc(49.22,30.56) 49.27,30.44 arc(49.32,30.32) 49.44,30.27 49.49,30.27 arc(49.62,30.32) 49.67,30.44 arc(49.72,30.56) 49.84,30.62 49.89,30.62 arc(50.02,30.56) 50.07,30.44 arc(50.12,30.32) 50.24,30.27 50.29,30.27 arc(50.42,30.32) 50.47,30.44 arc(50.52,30.56) 50.64,30.62 50.69,30.62 arc(50.82,30.56) 50.87,30.44 arc(50.92,30.32) 51.04,30.27 51.09,30.27 arc(51.22,30.32) 51.27,30.44 arc(51.32,30.56) 51.44,30.62 51.49,30.62 arc(51.62,30.56) 51.67,30.44 arc(51.72,30.32) 51.84,30.27 51.89,30.27 arc(52.02,30.32) 52.07,30.44 arc(52.12,30.56) 52.24,30.62 52.29,30.62 arc(52.42,30.56) 52.47,30.44 arc(52.52,30.32) 52.64,30.27 52.69,30.27 arc(52.82,30.32) 52.87,30.44 arc(52.92,30.56) 53.04,30.62 53.09,30.62 arc(53.22,30.56) 53.27,30.44 arc(53.32,30.32) 53.44,30.27 53.49,30.27 arc(53.62,30.32) 53.67,30.44 arc(53.72,30.56) 53.84,30.62 53.89,30.62 arc(54.02,30.56) 54.07,30.44 arc(54.12,30.32) 54.24,30.27 54.29,30.27 arc(54.42,30.32) 54.47,30.44 arc(54.52,30.56) 54.64,30.62 54.69,30.62 arc(54.82,30.56) 54.87,30.44 arc(54.92,30.32) 55.04,30.27 55.09,30.27 arc(55.22,30.32) 55.27,30.44 arc(55.32,30.56) 55.44,30.62 55.49,30.62 arc(55.62,30.56) 55.67,30.44 arc(55.72,30.32) 55.84,30.27 55.89,30.27 arc(56.02,30.32) 56.07,30.44 arc(56.12,30.56) 56.24,30.62 56.29,30.62 arc(56.42,30.56) 56.47,30.44 arc(56.52,30.32) 56.64,30.27 56.69,30.27 arc(56.82,30.32) 56.87,30.44 arc(56.92,30.56) 57.04,30.62 57.5,30.62 v2(58.6,29.51)